# KiCad board oibus-mini-CCC_PANEL.kicad_pcb (continued)
## Nets (continued)
GND: C1.1 C1#2.1 C1#3.1 C1#4.1 C1#5.1 C1#6.1 C1#7.1 C1#8.1 C1#9.1 C1#10.1 C1#11.1 C1#12.1 C1#13.1 C1#14.1 C1#15.1 C1#16.1 C1#17.1 C1#18.1 C1#19.1 C1#20.1 C1#21.1 C1#22.1 C1#23.1 C1#24.1 C1#25.1 C1#26.1 C1#27.1 C1#28.1 C1#29.1 C1#30.1 C1#31.1 C1#32.1 C2.2 C2#2.2 C2#3.2 C2#4.2 C2#5.2 C2#6.2 C2#7.2 C2#8.2 C2#9.2 C2#10.2 C2#11.2 C2#12.2 C2#13.2 C2#14.2 C2#15.2 C2#16.2 C2#17.2 C2#18.2 C2#19.2 C2#20.2 C2#21.2 C2#22.2 C2#23.2 C2#24.2 C2#25.2 C2#26.2 C2#27.2 C2#28.2 C2#29.2 C2#30.2 C2#31.2 C2#32.2 C3.1 C3#2.1 C3#3.1 C3#4.1 C3#5.1 C3#6.1 C3#7.1 C3#8.1 C3#9.1 C3#10.1 C3#11.1 C3#12.1 C3#13.1 C3#14.1 C3#15.1 C3#16.1 C3#17.1 C3#18.1 C3#19.1 C3#20.1 C3#21.1 C3#22.1 C3#23.1 C3#24.1 C3#25.1 C3#26.1 C3#27.1 C3#28.1 C3#29.1 C3#30.1 C3#31.1 C3#32.1 C4.1 C4#2.1 C4#3.1 C4#4.1 C4#5.1 C4#6.1 C4#7.1 C4#8.1 C4#9.1 C4#10.1 C4#11.1 C4#12.1 C4#13.1 C4#14.1 C4#15.1 C4#16.1 C4#17.1 C4#18.1 C4#19.1 C4#20.1 C4#21.1 C4#22.1 C4#23.1 C4#24.1 C4#25.1 C4#26.1 C4#27.1 C4#28.1 C4#29.1 C4#30.1 C4#31.1 C4#32.1 C5.1 C5#2.1 C5#3.1 C5#4.1 C5#5.1 C5#6.1 C5#7.1 C5#8.1 C5#9.1 C5#10.1 C5#11.1 C5#12.1 C5#13.1 C5#14.1 C5#15.1 C5#16.1 C5#17.1 C5#18.1 C5#19.1 C5#20.1 C5#21.1 C5#22.1 C5#23.1 C5#24.1 C5#25.1 C5#26.1 C5#27.1 C5#28.1 C5#29.1 C5#30.1 C5#31.1 C5#32.1 C6.1 C6#2.1 C6#3.1 C6#4.1 C6#5.1 C6#6.1 C6#7.1 C6#8.1 C6#9.1 C6#10.1 C6#11.1 C6#12.1 C6#13.1 C6#14.1 C6#15.1 C6#16.1 C6#17.1 C6#18.1 C6#19.1 C6#20.1 C6#21.1 C6#22.1 C6#23.1 C6#24.1 C6#25.1 C6#26.1 C6#27.1 C6#28.1 C6#29.1 C6#30.1 C6#31.1 C6#32.1 C7.2 C7#2.2 C7#3.2 C7#4.2 C7#5.2 C7#6.2 C7#7.2 C7#8.2 C7#9.2 C7#10.2 C7#11.2 C7#12.2 C7#13.2 C7#14.2 C7#15.2 C7#16.2 C7#17.2 C7#18.2 C7#19.2 C7#20.2 C7#21.2 C7#22.2 C7#23.2 C7#24.2 C7#25.2 C7#26.2 C7#27.2 C7#28.2 C7#29.2 C7#30.2 C7#31.2 C7#32.2 C8.1 C8#2.1 C8#3.1 C8#4.1 C8#5.1 C8#6.1 C8#7.1 C8#8.1 C8#9.1 C8#10.1 C8#11.1 C8#12.1 C8#13.1 C8#14.1 C8#15.1 C8#16.1 C8#17.1 C8#18.1 C8#19.1 C8#20.1 C8#21.1 C8#22.1 C8#23.1 C8#24.1 C8#25.1 C8#26.1 C8#27.1 C8#28.1 C8#29.1 C8#30.1 C8#31.1 C8#32.1 C9.1 C9#2.1 C9#3.1 C9#4.1 C9#5.1 C9#6.1 C9#7.1 C9#8.1 C9#9.1 C9#10.1 C9#11.1 C9#12.1 C9#13.1 C9#14.1 C9#15.1 C9#16.1 C9#17.1 C9#18.1 C9#19.1 C9#20.1 C9#21.1 C9#22.1 C9#23.1 C9#24.1 C9#25.1 C9#26.1 C9#27.1 C9#28.1 C9#29.1 C9#30.1 C9#31.1 C9#32.1 C10.1 C10#2.1 C10#3.1 C10#4.1 C10#5.1 C10#6.1 C10#7.1 C10#8.1 C10#9.1 C10#10.1 C10#11.1 C10#12.1 C10#13.1 C10#14.1 C10#15.1 C10#16.1 C10#17.1 C10#18.1 C10#19.1 C10#20.1 C10#21.1 C10#22.1 C10#23.1 C10#24.1 C10#25.1 C10#26.1 C10#27.1 C10#28.1 C10#29.1 C10#30.1 C10#31.1 C10#32.1 C11.1 C11#2.1 C11#3.1 C11#4.1 C11#5.1 C11#6.1 C11#7.1 C11#8.1 C11#9.1 C11#10.1 C11#11.1 C11#12.1 C11#13.1 C11#14.1 C11#15.1 C11#16.1 C11#17.1 C11#18.1 C11#19.1 C11#20.1 C11#21.1 C11#22.1 C11#23.1 C11#24.1 C11#25.1 C11#26.1 C11#27.1 C11#28.1 C11#29.1 C11#30.1 C11#31.1 C11#32.1 C12.1 C12#2.1 C12#3.1 C12#4.1 C12#5.1 C12#6.1 C12#7.1 C12#8.1 C12#9.1 C12#10.1 C12#11.1 C12#12.1 C12#13.1 C12#14.1 C12#15.1 C12#16.1 C12#17.1 C12#18.1 C12#19.1 C12#20.1 C12#21.1 C12#22.1 C12#23.1 C12#24.1 C12#25.1 C12#26.1 C12#27.1 C12#28.1 C12#29.1 C12#30.1 C12#31.1 C12#32.1 C13.2 C13#2.2 C13#3.2 C13#4.2 C13#5.2 C13#6.2 C13#7.2 C13#8.2 C13#9.2 C13#10.2 C13#11.2 C13#12.2 C13#13.2 C13#14.2 C13#15.2 C13#16.2 C13#17.2 C13#18.2 C13#19.2 C13#20.2 C13#21.2 C13#22.2 C13#23.2 C13#24.2 C13#25.2 C13#26.2 C13#27.2 C13#28.2 C13#29.2 C13#30.2 C13#31.2 C13#32.2 C14.1 C14#2.1 C14#3.1 C14#4.1 C14#5.1 C14#6.1 C14#7.1 C14#8.1 C14#9.1 C14#10.1 C14#11.1 C14#12.1 C14#13.1 C14#14.1 C14#15.1 C14#16.1 C14#17.1 C14#18.1 C14#19.1 C14#20.1 C14#21.1 C14#22.1 C14#23.1 C14#24.1 C14#25.1 C14#26.1 C14#27.1 C14#28.1 C14#29.1 C14#30.1 C14#31.1 C14#32.1 C15.1 C15#2.1 C15#3.1 C15#4.1 C15#5.1 C15#6.1 C15#7.1 C15#8.1 C15#9.1 C15#10.1 C15#11.1 C15#12.1 C15#13.1 C15#14.1 C15#15.1 C15#16.1 C15#17.1 C15#18.1 C15#19.1 C15#20.1 C15#21.1 C15#22.1 C15#23.1 C15#24.1 C15#25.1 C15#26.1 C15#27.1 C15#28.1 C15#29.1 C15#30.1 C15#31.1 C15#32.1 C16.2 C16#2.2 C16#3.2 C16#4.2 C16#5.2 C16#6.2 C16#7.2 C16#8.2 C16#9.2 C16#10.2 C16#11.2 C16#12.2 C16#13.2 C16#14.2 C16#15.2 C16#16.2 C16#17.2 C16#18.2 C16#19.2 C16#20.2 C16#21.2 C16#22.2 C16#23.2 C16#24.2 C16#25.2 C16#26.2 C16#27.2 C16#28.2 C16#29.2 C16#30.2 C16#31.2 C16#32.2 C17.1 C17#2.1 C17#3.1 C17#4.1 C17#5.1 C17#6.1 C17#7.1 C17#8.1 C17#9.1 C17#10.1 C17#11.1 C17#12.1 C17#13.1 C17#14.1 C17#15.1 C17#16.1 C17#17.1 C17#18.1 C17#19.1 C17#20.1 C17#21.1 C17#22.1 C17#23.1 C17#24.1 C17#25.1 C17#26.1 C17#27.1 C17#28.1 C17#29.1 C17#30.1 C17#31.1 C17#32.1 C18.2 C18#2.2 C18#3.2 C18#4.2 C18#5.2 C18#6.2 C18#7.2 C18#8.2 C18#9.2 C18#10.2 C18#11.2 C18#12.2 C18#13.2 C18#14.2 C18#15.2 C18#16.2 C18#17.2 C18#18.2 C18#19.2 C18#20.2 C18#21.2 C18#22.2 C18#23.2 C18#24.2 C18#25.2 C18#26.2 C18#27.2 C18#28.2 C18#29.2 C18#30.2 C18#31.2 C18#32.2 C19.1 C19#2.1 C19#3.1 C19#4.1 C19#5.1 C19#6.1 C19#7.1 C19#8.1 C19#9.1 C19#10.1 C19#11.1 C19#12.1 C19#13.1 C19#14.1 C19#15.1 C19#16.1 C19#17.1 C19#18.1 C19#19.1 C19#20.1 C19#21.1 C19#22.1 C19#23.1 C19#24.1 C19#25.1 C19#26.1 C19#27.1 C19#28.1 C19#29.1 C19#30.1 C19#31.1 C19#32.1 C20.1 C20#2.1 C20#3.1 C20#4.1 C20#5.1 C20#6.1 C20#7.1 C20#8.1 C20#9.1 C20#10.1 C20#11.1 C20#12.1 C20#13.1 C20#14.1 C20#15.1 C20#16.1 C20#17.1 C20#18.1 C20#19.1 C20#20.1 C20#21.1 C20#22.1 C20#23.1 C20#24.1 C20#25.1 C20#26.1 C20#27.1 C20#28.1 C20#29.1 C20#30.1 C20#31.1 C20#32.1 C21.1 C21#2.1 C21#3.1 C21#4.1 C21#5.1 C21#6.1 C21#7.1 C21#8.1 C21#9.1 C21#10.1 C21#11.1 C21#12.1 C21#13.1 C21#14.1 C21#15.1 C21#16.1 C21#17.1 C21#18.1 C21#19.1 C21#20.1 C21#21.1 C21#22.1 C21#23.1 C21#24.1 C21#25.1 C21#26.1 C21#27.1 C21#28.1 C21#29.1 C21#30.1 C21#31.1 C21#32.1 C22.1 C22#2.1 C22#3.1 C22#4.1 C22#5.1 C22#6.1 C22#7.1 C22#8.1 C22#9.1 C22#10.1 C22#11.1 C22#12.1 C22#13.1 C22#14.1 C22#15.1 C22#16.1 C22#17.1 C22#18.1 C22#19.1 C22#20.1 C22#21.1 C22#22.1 C22#23.1 C22#24.1 C22#25.1 C22#26.1 C22#27.1 C22#28.1 C22#29.1 C22#30.1 C22#31.1 C22#32.1 C23.1 C23#2.1 C23#3.1 C23#4.1 C23#5.1 C23#6.1 C23#7.1 C23#8.1 C23#9.1 C23#10.1 C23#11.1 C23#12.1 C23#13.1 C23#14.1 C23#15.1 C23#16.1 C23#17.1 C23#18.1 C23#19.1 C23#20.1 C23#21.1 C23#22.1 C23#23.1 C23#24.1 C23#25.1 C23#26.1 C23#27.1 C23#28.1 C23#29.1 C23#30.1 C23#31.1 C23#32.1 C25.2 C25#2.2 C25#3.2 C25#4.2 C25#5.2 C25#6.2 C25#7.2 C25#8.2 C25#9.2 C25#10.2 C25#11.2 C25#12.2 C25#13.2 C25#14.2 C25#15.2 C25#16.2 C25#17.2 C25#18.2 C25#19.2 C25#20.2 C25#21.2 C25#22.2 C25#23.2 C25#24.2 C25#25.2 C25#26.2 C25#27.2 C25#28.2 C25#29.2 C25#30.2 C25#31.2 C25#32.2 C26.1 C26#2.1 C26#3.1 C26#4.1 C26#5.1 C26#6.1 C26#7.1 C26#8.1 C26#9.1 C26#10.1 C26#11.1 C26#12.1 C26#13.1 C26#14.1 C26#15.1 C26#16.1 C26#17.1 C26#18.1 C26#19.1 C26#20.1 C26#21.1 C26#22.1 C26#23.1 C26#24.1 C26#25.1 C26#26.1 C26#27.1 C26#28.1 C26#29.1 C26#30.1 C26#31.1 C26#32.1 D5.1 D5#2.1 D5#3.1 D5#4.1 D5#5.1 D5#6.1 D5#7.1 D5#8.1 D5#9.1 D5#10.1 D5#11.1 D5#12.1 D5#13.1 D5#14.1 D5#15.1 D5#16.1 D5#17.1 D5#18.1 D5#19.1 D5#20.1 D5#21.1 D5#22.1 D5#23.1 D5#24.1 D5#25.1 D5#26.1 D5#27.1 D5#28.1 D5#29.1 D5#30.1 D5#31.1 D5#32.1 D6.3 D6#2.3 D6#3.3 D6#4.3 D6#5.3 D6#6.3 D6#7.3 D6#8.3 D6#9.3 D6#10.3 D6#11.3 D6#12.3 D6#13.3 D6#14.3 D6#15.3 D6#16.3 D6#17.3 D6#18.3 D6#19.3 D6#20.3 D6#21.3 D6#22.3 D6#23.3 D6#24.3 D6#25.3 D6#26.3 D6#27.3 D6#28.3 D6#29.3 D6#30.3 D6#31.3 D6#32.3 H1.1 H1#2.1 H1#3.1 H1#4.1 H1#5.1 H1#6.1 H1#7.1 H1#8.1 H1#9.1 H1#10.1 H1#11.1 H1#12.1 H1#13.1 H1#14.1 H1#15.1 H1#16.1 H1#17.1 H1#18.1 H1#19.1 H1#20.1 H1#21.1 H1#22.1 H1#23.1 H1#24.1 H1#25.1 H1#26.1 H1#27.1 H1#28.1 H1#29.1 H1#30.1 H1#31.1 H1#32.1 H2.2 H2.4 H2#2.2 H2#2.4 H2#3.2 H2#3.4 H2#4.2 H2#4.4 H2#5.2 H2#5.4 H2#6.2 H2#6.4 H2#7.2 H2#7.4 H2#8.2 H2#8.4 H2#9.2 H2#9.4 H2#10.2 H2#10.4 H2#11.2 H2#11.4 H2#12.2 H2#12.4 H2#13.2 H2#13.4 H2#14.2 H2#14.4 H2#15.2 H2#15.4 H2#16.2 H2#16.4 H2#17.2 H2#17.4 H2#18.2 H2#18.4 H2#19.2 H2#19.4 H2#20.2 H2#20.4 H2#21.2 H2#21.4 H2#22.2 H2#22.4 H2#23.2 H2#23.4 H2#24.2 H2#24.4 H2#25.2 H2#25.4 H2#26.2 H2#26.4 H2#27.2 H2#27.4 H2#28.2 H2#28.4 H2#29.2 H2#29.4 H2#30.2 H2#30.4 H2#31.2 H2#31.4 H2#32.2 H2#32.4 J1.4 J1#2.4 J1#3.4 J1#4.4 J1#5.4 J1#6.4 J1#7.4 J1#8.4 J1#9.4 J1#10.4 J1#11.4 J1#12.4 J1#13.4 J1#14.4 J1#15.4 J1#16.4 J1#17.4 J1#18.4 J1#19.4 J1#20.4 J1#21.4 J1#22.4 J1#23.4 J1#24.4 J1#25.4 J1#26.4 J1#27.4 J1#28.4 J1#29.4 J1#30.4 J1#31.4 J1#32.4 J2.5 J2.6 J2#2.5 J2#2.6 J2#3.5 J2#3.6 J2#4.5 J2#4.6 J2#5.5 J2#5.6 J2#6.5 J2#6.6 J2#7.5 J2#7.6 J2#8.5 J2#8.6 J2#9.5 J2#9.6 J2#10.5 J2#10.6 J2#11.5 J2#11.6 J2#12.5 J2#12.6 J2#13.5 J2#13.6 J2#14.5 J2#14.6 J2#15.5 J2#15.6 J2#16.5 J2#16.6 J2#17.5 J2#17.6 J2#18.5 J2#18.6 J2#19.5 J2#19.6 J2#20.5 J2#20.6 J2#21.5 J2#21.6 J2#22.5 J2#22.6 J2#23.5 J2#23.6 J2#24.5 J2#24.6 J2#25.5 J2#25.6 J2#26.5 J2#26.6 J2#27.5 J2#27.6 J2#28.5 J2#28.6 J2#29.5 J2#29.6 J2#30.5 J2#30.6 J2#31.5 J2#31.6 J2#32.5 J2#32.6 J3.5 J3#2.5 J3#3.5 J3#4.5 J3#5.5 J3#6.5 J3#7.5 J3#8.5 J3#9.5 J3#10.5 J3#11.5 J3#12.5 J3#13.5 J3#14.5 J3#15.5 J3#16.5 J3#17.5 J3#18.5 J3#19.5 J3#20.5 J3#21.5 J3#22.5 J3#23.5 J3#24.5 J3#25.5 J3#26.5 J3#27.5 J3#28.5 J3#29.5 J3#30.5 J3#31.5 J3#32.5 P1.3 P1#2.3 P1#3.3 P1#4.3 P1#5.3 P1#6.3 P1#7.3 P1#8.3 P1#9.3 P1#10.3 P1#11.3 P1#12.3 P1#13.3 P1#14.3 P1#15.3 P1#16.3 P1#17.3 P1#18.3 P1#19.3 P1#20.3 P1#21.3 P1#22.3 P1#23.3 P1#24.3 P1#25.3 P1#26.3 P1#27.3 P1#28.3 P1#29.3 P1#30.3 P1#31.3 P1#32.3 Q3.2 Q3#2.2 Q3#3.2 Q3#4.2 Q3#5.2 Q3#6.2 Q3#7.2 Q3#8.2 Q3#9.2 Q3#10.2 Q3#11.2 Q3#12.2 Q3#13.2 Q3#14.2 Q3#15.2 Q3#16.2 Q3#17.2 Q3#18.2 Q3#19.2 Q3#20.2 Q3#21.2 Q3#22.2 Q3#23.2 Q3#24.2 Q3#25.2 Q3#26.2 Q3#27.2 Q3#28.2 Q3#29.2 Q3#30.2 Q3#31.2 Q3#32.2 R1.2 R1#2.2 R1#3.2 R1#4.2 R1#5.2 R1#6.2 R1#7.2 R1#8.2 R1#9.2 R1#10.2 R1#11.2 R1#12.2 R1#13.2 R1#14.2 R1#15.2 R1#16.2 R1#17.2 R1#18.2 R1#19.2 R1#20.2 R1#21.2 R1#22.2 R1#23.2 R1#24.2 R1#25.2 R1#26.2 R1#27.2 R1#28.2 R1#29.2 R1#30.2 R1#31.2 R1#32.2 R2.2 R2#2.2 R2#3.2 R2#4.2 R2#5.2 R2#6.2 R2#7.2 R2#8.2 R2#9.2 R2#10.2 R2#11.2 R2#12.2 R2#13.2 R2#14.2 R2#15.2 R2#16.2 R2#17.2 R2#18.2 R2#19.2 R2#20.2 R2#21.2 R2#22.2 R2#23.2 R2#24.2 R2#25.2 R2#26.2 R2#27.2 R2#28.2 R2#29.2 R2#30.2 R2#31.2 R2#32.2 R5.2 R5#2.2 R5#3.2 R5#4.2 R5#5.2 R5#6.2 R5#7.2 R5#8.2 R5#9.2 R5#10.2 R5#11.2 R5#12.2 R5#13.2 R5#14.2 R5#15.2 R5#16.2 R5#17.2 R5#18.2 R5#19.2 R5#20.2 R5#21.2 R5#22.2 R5#23.2 R5#24.2 R5#25.2 R5#26.2 R5#27.2 R5#28.2 R5#29.2 R5#30.2 R5#31.2 R5#32.2 R7.2 R7#2.2 R7#3.2 R7#4.2 R7#5.2 R7#6.2 R7#7.2 R7#8.2 R7#9.2 R7#10.2 R7#11.2 R7#12.2 R7#13.2 R7#14.2 R7#15.2 R7#16.2 R7#17.2 R7#18.2 R7#19.2 R7#20.2 R7#21.2 R7#22.2 R7#23.2 R7#24.2 R7#25.2 R7#26.2 R7#27.2 R7#28.2 R7#29.2 R7#30.2 R7#31.2 R7#32.2 R8.2 R8#2.2 R8#3.2 R8#4.2 R8#5.2 R8#6.2 R8#7.2 R8#8.2 R8#9.2 R8#10.2 R8#11.2 R8#12.2 R8#13.2 R8#14.2 R8#15.2 R8#16.2 R8#17.2 R8#18.2 R8#19.2 R8#20.2 R8#21.2 R8#22.2 R8#23.2 R8#24.2 R8#25.2 R8#26.2 R8#27.2 R8#28.2 R8#29.2 R8#30.2 R8#31.2 R8#32.2 R14.2 R14#2.2 R14#3.2 R14#4.2 R14#5.2 R14#6.2 R14#7.2 R14#8.2 R14#9.2 R14#10.2 R14#11.2 R14#12.2 R14#13.2 R14#14.2 R14#15.2 R14#16.2 R14#17.2 R14#18.2 R14#19.2 R14#20.2 R14#21.2 R14#22.2 R14#23.2 R14#24.2 R14#25.2 R14#26.2 R14#27.2 R14#28.2 R14#29.2 R14#30.2 R14#31.2 R14#32.2 R18.2 R18#2.2 R18#3.2 R18#4.2 R18#5.2 R18#6.2 R18#7.2 R18#8.2 R18#9.2 R18#10.2 R18#11.2 R18#12.2 R18#13.2 R18#14.2 R18#15.2 R18#16.2 R18#17.2 R18#18.2 R18#19.2 R18#20.2 R18#21.2 R18#22.2 R18#23.2 R18#24.2 R18#25.2 R18#26.2 R18#27.2 R18#28.2 R18#29.2 R18#30.2 R18#31.2 R18#32.2 R23.2 R23#2.2 R23#3.2 R23#4.2 R23#5.2 R23#6.2 R23#7.2 R23#8.2 R23#9.2 R23#10.2 R23#11.2 R23#12.2 R23#13.2 R23#14.2 R23#15.2 R23#16.2 R23#17.2 R23#18.2 R23#19.2 R23#20.2 R23#21.2 R23#22.2 R23#23.2 R23#24.2 R23#25.2 R23#26.2 R23#27.2 R23#28.2 R23#29.2 R23#30.2 R23#31.2 R23#32.2 SW2.2 SW2#2.2 SW2#3.2 SW2#4.2 SW2#5.2 SW2#6.2 SW2#7.2 SW2#8.2 SW2#9.2 SW2#10.2 SW2#11.2 SW2#12.2 SW2#13.2 SW2#14.2 SW2#15.2 SW2#16.2 SW2#17.2 SW2#18.2 SW2#19.2 SW2#20.2 SW2#21.2 SW2#22.2 SW2#23.2 SW2#24.2 SW2#25.2 SW2#26.2 SW2#27.2 SW2#28.2 SW2#29.2 SW2#30.2 SW2#31.2 SW2#32.2 U1.2 U1#2.2 U1#3.2 U1#4.2 U1#5.2 U1#6.2 U1#7.2 U1#8.2 U1#9.2 U1#10.2 U1#11.2 U1#12.2 U1#13.2 U1#14.2 U1#15.2 U1#16.2 U1#17.2 U1#18.2 U1#19.2 U1#20.2 U1#21.2 U1#22.2 U1#23.2 U1#24.2 U1#25.2 U1#26.2 U1#27.2 U1#28.2 U1#29.2 U1#30.2 U1#31.2 U1#32.2 U2.1 U2.4 U2.5 U2.6 U2.10 U2.11 U2.15 U2.16 U2.20 U2#2.1 U2#2.4 U2#2.5 U2#2.6 U2#2.10 U2#2.11 U2#2.15 U2#2.16 U2#2.20 U2#3.1 U2#3.4 U2#3.5 U2#3.6 U2#3.10 U2#3.11 U2#3.15 U2#3.16 U2#3.20 U2#4.1 U2#4.4 U2#4.5 U2#4.6 U2#4.10 U2#4.11 U2#4.15 U2#4.16 U2#4.20 U2#5.1 U2#5.4 U2#5.5 U2#5.6 U2#5.10 U2#5.11 U2#5.15 U2#5.16 U2#5.20 U2#6.1 U2#6.4 U2#6.5 U2#6.6 U2#6.10 U2#6.11 U2#6.15 U2#6.16 U2#6.20 U2#7.1 U2#7.4 U2#7.5 U2#7.6 U2#7.10 U2#7.11 U2#7.15 U2#7.16 U2#7.20 U2#8.1 U2#8.4 U2#8.5 U2#8.6 U2#8.10 U2#8.11 U2#8.15 U2#8.16 U2#8.20 U2#9.1 U2#9.4 U2#9.5 U2#9.6 U2#9.10 U2#9.11 U2#9.15 U2#9.16 U2#9.20 U2#10.1 U2#10.4 U2#10.5 U2#10.6 U2#10.10 U2#10.11 U2#10.15 U2#10.16 U2#10.20 U2#11.1 U2#11.4 U2#11.5 U2#11.6 U2#11.10 U2#11.11 U2#11.15 U2#11.16 U2#11.20 U2#12.1 U2#12.4 U2#12.5 U2#12.6 U2#12.10 U2#12.11 U2#12.15 U2#12.16 U2#12.20 U2#13.1 U2#13.4 U2#13.5 U2#13.6 U2#13.10 U2#13.11 U2#13.15 U2#13.16 U2#13.20 U2#14.1 U2#14.4 U2#14.5 U2#14.6 U2#14.10 U2#14.11 U2#14.15 U2#14.16 U2#14.20 U2#15.1 U2#15.4 U2#15.5 U2#15.6 U2#15.10 U2#15.11 U2#15.15 U2#15.16 U2#15.20 U2#16.1 U2#16.4 U2#16.5 U2#16.6 U2#16.10 U2#16.11 U2#16.15 U2#16.16 U2#16.20 U2#17.1 U2#17.4 U2#17.5 U2#17.6 U2#17.10 U2#17.11 U2#17.15 U2#17.16 U2#17.20 U2#18.1 U2#18.4 U2#18.5 U2#18.6 U2#18.10 U2#18.11 U2#18.15 U2#18.16 U2#18.20 U2#19.1 U2#19.4 U2#19.5 U2#19.6 U2#19.10 U2#19.11 U2#19.15 U2#19.16 U2#19.20 U2#20.1 U2#20.4 U2#20.5 U2#20.6 U2#20.10 U2#20.11 U2#20.15 U2#20.16 U2#20.20 U2#21.1 U2#21.4 U2#21.5 U2#21.6 U2#21.10 U2#21.11 U2#21.15 U2#21.16 U2#21.20 U2#22.1 U2#22.4 U2#22.5 U2#22.6 U2#22.10 U2#22.11 U2#22.15 U2#22.16 U2#22.20 U2#23.1 U2#23.4 U2#23.5 U2#23.6 U2#23.10 U2#23.11 U2#23.15 U2#23.16 U2#23.20 U2#24.1 U2#24.4 U2#24.5 U2#24.6 U2#24.10 U2#24.11 U2#24.15 U2#24.16 U2#24.20 U2#25.1 U2#25.4 U2#25.5 U2#25.6 U2#25.10 U2#25.11 U2#25.15 U2#25.16 U2#25.20 U2#26.1 U2#26.4 U2#26.5 U2#26.6 U2#26.10 U2#26.11 U2#26.15 U2#26.16 U2#26.20 U2#27.1 U2#27.4 U2#27.5 U2#27.6 U2#27.10 U2#27.11 U2#27.15 U2#27.16 U2#27.20 U2#28.1 U2#28.4 U2#28.5 U2#28.6 U2#28.10 U2#28.11 U2#28.15 U2#28.16 U2#28.20 U2#29.1 U2#29.4 U2#29.5 U2#29.6 U2#29.10 U2#29.11 U2#29.15 U2#29.16 U2#29.20 U2#30.1 U2#30.4 U2#30.5 U2#30.6 U2#30.10 U2#30.11 U2#30.15 U2#30.16 U2#30.20 U2#31.1 U2#31.4 U2#31.5 U2#31.6 U2#31.10 U2#31.11 U2#31.15 U2#31.16 U2#31.20 U2#32.1 U2#32.4 U2#32.5 U2#32.6 U2#32.10 U2#32.11 U2#32.15 U2#32.16 U2#32.20 U3.6 U3.12 U3.14 U3.26 U3.30 U3.53 U3.EGP1 U3.EGP2 U3.EGP3 U3.EGP4 U3.EGP5 U3.EGP6 U3.EGP7 U3.EGP8 U3.EGP9 U3.EGP10 U3.EGP11 U3.EGP12 U3#2.6 U3#2.12 U3#2.14 U3#2.26 U3#2.30 U3#2.53 U3#2.EGP1 U3#2.EGP2 U3#2.EGP3 U3#2.EGP4 U3#2.EGP5 U3#2.EGP6 U3#2.EGP7 U3#2.EGP8 U3#2.EGP9 U3#2.EGP10 U3#2.EGP11 U3#2.EGP12 U3#3.6 U3#3.12 U3#3.14 U3#3.26 U3#3.30 U3#3.53 U3#3.EGP1 U3#3.EGP2 U3#3.EGP3 U3#3.EGP4 U3#3.EGP5 U3#3.EGP6 U3#3.EGP7 U3#3.EGP8 U3#3.EGP9 U3#3.EGP10 U3#3.EGP11 U3#3.EGP12 U3#4.6 U3#4.12 U3#4.14 U3#4.26 U3#4.30 U3#4.53 U3#4.EGP1 U3#4.EGP2 U3#4.EGP3 U3#4.EGP4 U3#4.EGP5 U3#4.EGP6 U3#4.EGP7 U3#4.EGP8 U3#4.EGP9 U3#4.EGP10 U3#4.EGP11 U3#4.EGP12 U3#5.6 U3#5.12 U3#5.14 U3#5.26 U3#5.30 U3#5.53 U3#5.EGP1 U3#5.EGP2 U3#5.EGP3 U3#5.EGP4 U3#5.EGP5 U3#5.EGP6 U3#5.EGP7 U3#5.EGP8 U3#5.EGP9 U3#5.EGP10 U3#5.EGP11 U3#5.EGP12 U3#6.6 U3#6.12 U3#6.14 U3#6.26 U3#6.30 U3#6.53 U3#6.EGP1 U3#6.EGP2 U3#6.EGP3 U3#6.EGP4 U3#6.EGP5 U3#6.EGP6 U3#6.EGP7 U3#6.EGP8 U3#6.EGP9 U3#6.EGP10 U3#6.EGP11 U3#6.EGP12 U3#7.6 U3#7.12 U3#7.14 U3#7.26 U3#7.30 U3#7.53 U3#7.EGP1 U3#7.EGP2 U3#7.EGP3 U3#7.EGP4 U3#7.EGP5 U3#7.EGP6 U3#7.EGP7 U3#7.EGP8 U3#7.EGP9 U3#7.EGP10 U3#7.EGP11 U3#7.EGP12 U3#8.6 U3#8.12 U3#8.14 U3#8.26 U3#8.30 U3#8.53 U3#8.EGP1 U3#8.EGP2 U3#8.EGP3 U3#8.EGP4 U3#8.EGP5 U3#8.EGP6 U3#8.EGP7 U3#8.EGP8 U3#8.EGP9 U3#8.EGP10 U3#8.EGP11 U3#8.EGP12 U3#9.6 U3#9.12 U3#9.14 U3#9.26 U3#9.30 U3#9.53 U3#9.EGP1 U3#9.EGP2 U3#9.EGP3 U3#9.EGP4 U3#9.EGP5 U3#9.EGP6 U3#9.EGP7 U3#9.EGP8 U3#9.EGP9 U3#9.EGP10 U3#9.EGP11 U3#9.EGP12 U3#10.6 U3#10.12 U3#10.14 U3#10.26 U3#10.30 U3#10.53 U3#10.EGP1 U3#10.EGP2 U3#10.EGP3 U3#10.EGP4 U3#10.EGP5 U3#10.EGP6 U3#10.EGP7 U3#10.EGP8 U3#10.EGP9 U3#10.EGP10 U3#10.EGP11 U3#10.EGP12 U3#11.6 U3#11.12 U3#11.14 U3#11.26 U3#11.30 U3#11.53 U3#11.EGP1 U3#11.EGP2 U3#11.EGP3 U3#11.EGP4 U3#11.EGP5 U3#11.EGP6 U3#11.EGP7 U3#11.EGP8 U3#11.EGP9 U3#11.EGP10 U3#11.EGP11 U3#11.EGP12 U3#12.6 U3#12.12 U3#12.14 U3#12.26 U3#12.30 U3#12.53 U3#12.EGP1 U3#12.EGP2 U3#12.EGP3 U3#12.EGP4 U3#12.EGP5 U3#12.EGP6 U3#12.EGP7 U3#12.EGP8 U3#12.EGP9 U3#12.EGP10 U3#12.EGP11 U3#12.EGP12 U3#13.6 U3#13.12 U3#13.14 U3#13.26 U3#13.30 U3#13.53 U3#13.EGP1 U3#13.EGP2 U3#13.EGP3 U3#13.EGP4 U3#13.EGP5 U3#13.EGP6 U3#13.EGP7 U3#13.EGP8 U3#13.EGP9 U3#13.EGP10 U3#13.EGP11 U3#13.EGP12 U3#14.6 U3#14.12 U3#14.14 U3#14.26 U3#14.30 U3#14.53 U3#14.EGP1 U3#14.EGP2 U3#14.EGP3 U3#14.EGP4 U3#14.EGP5 U3#14.EGP6 U3#14.EGP7 U3#14.EGP8 U3#14.EGP9 U3#14.EGP10 U3#14.EGP11 U3#14.EGP12 U3#15.6 U3#15.12 U3#15.14 U3#15.26 U3#15.30 U3#15.53 U3#15.EGP1 U3#15.EGP2 U3#15.EGP3 U3#15.EGP4 U3#15.EGP5 U3#15.EGP6 U3#15.EGP7 U3#15.EGP8 U3#15.EGP9 U3#15.EGP10 U3#15.EGP11 U3#15.EGP12 U3#16.6 U3#16.12 U3#16.14 U3#16.26 U3#16.30 U3#16.53 U3#16.EGP1 U3#16.EGP2 U3#16.EGP3 U3#16.EGP4 U3#16.EGP5 U3#16.EGP6 U3#16.EGP7 U3#16.EGP8 U3#16.EGP9 U3#16.EGP10 U3#16.EGP11 U3#16.EGP12 U3#17.6 U3#17.12 U3#17.14 U3#17.26 U3#17.30 U3#17.53 U3#17.EGP1 U3#17.EGP2 U3#17.EGP3 U3#17.EGP4 U3#17.EGP5 U3#17.EGP6 U3#17.EGP7 U3#17.EGP8 U3#17.EGP9 U3#17.EGP10 U3#17.EGP11 U3#17.EGP12 U3#18.6 U3#18.12 U3#18.14 U3#18.26 U3#18.30 U3#18.53 U3#18.EGP1 U3#18.EGP2 U3#18.EGP3 U3#18.EGP4 U3#18.EGP5 U3#18.EGP6 U3#18.EGP7 U3#18.EGP8 U3#18.EGP9 U3#18.EGP10 U3#18.EGP11 U3#18.EGP12 U3#19.6 U3#19.12 U3#19.14 U3#19.26 U3#19.30 U3#19.53 U3#19.EGP1 U3#19.EGP2 U3#19.EGP3 U3#19.EGP4 U3#19.EGP5 U3#19.EGP6 U3#19.EGP7 U3#19.EGP8 U3#19.EGP9 U3#19.EGP10 U3#19.EGP11 U3#19.EGP12 U3#20.6 U3#20.12 U3#20.14 U3#20.26 U3#20.30 U3#20.53 U3#20.EGP1 U3#20.EGP2 U3#20.EGP3 U3#20.EGP4 U3#20.EGP5 U3#20.EGP6 U3#20.EGP7 U3#20.EGP8 U3#20.EGP9 U3#20.EGP10 U3#20.EGP11 U3#20.EGP12 U3#21.6 U3#21.12 U3#21.14 U3#21.26 U3#21.30 U3#21.53 U3#21.EGP1 U3#21.EGP2 U3#21.EGP3 U3#21.EGP4 U3#21.EGP5 U3#21.EGP6 U3#21.EGP7 U3#21.EGP8 U3#21.EGP9 U3#21.EGP10 U3#21.EGP11 U3#21.EGP12 U3#22.6 U3#22.12 U3#22.14 U3#22.26 U3#22.30 U3#22.53 U3#22.EGP1 U3#22.EGP2 U3#22.EGP3 U3#22.EGP4 U3#22.EGP5 U3#22.EGP6 U3#22.EGP7 U3#22.EGP8 U3#22.EGP9 U3#22.EGP10 U3#22.EGP11 U3#22.EGP12 U3#23.6 U3#23.12 U3#23.14 U3#23.26 U3#23.30 U3#23.53 U3#23.EGP1 U3#23.EGP2 U3#23.EGP3 U3#23.EGP4 U3#23.EGP5 U3#23.EGP6 U3#23.EGP7 U3#23.EGP8 U3#23.EGP9 U3#23.EGP10 U3#23.EGP11 U3#23.EGP12 U3#24.6 U3#24.12 U3#24.14 U3#24.26 U3#24.30 U3#24.53 U3#24.EGP1 U3#24.EGP2 U3#24.EGP3 U3#24.EGP4 U3#24.EGP5 U3#24.EGP6 U3#24.EGP7 U3#24.EGP8 U3#24.EGP9 U3#24.EGP10 U3#24.EGP11 U3#24.EGP12 U3#25.6 U3#25.12 U3#25.14 U3#25.26 U3#25.30 U3#25.53 U3#25.EGP1 U3#25.EGP2 U3#25.EGP3 U3#25.EGP4 U3#25.EGP5 U3#25.EGP6 U3#25.EGP7 U3#25.EGP8 U3#25.EGP9 U3#25.EGP10 U3#25.EGP11 U3#25.EGP12 U3#26.6 U3#26.12 U3#26.14 U3#26.26 U3#26.30 U3#26.53 U3#26.EGP1 U3#26.EGP2 U3#26.EGP3 U3#26.EGP4 U3#26.EGP5 U3#26.EGP6 U3#26.EGP7 U3#26.EGP8 U3#26.EGP9 U3#26.EGP10 U3#26.EGP11 U3#26.EGP12 U3#27.6 U3#27.12 U3#27.14 U3#27.26 U3#27.30 U3#27.53 U3#27.EGP1 U3#27.EGP2 U3#27.EGP3 U3#27.EGP4 U3#27.EGP5 U3#27.EGP6 U3#27.EGP7 U3#27.EGP8 U3#27.EGP9 U3#27.EGP10 U3#27.EGP11 U3#27.EGP12 U3#28.6 U3#28.12 U3#28.14 U3#28.26 U3#28.30 U3#28.53 U3#28.EGP1 U3#28.EGP2 U3#28.EGP3 U3#28.EGP4 U3#28.EGP5 U3#28.EGP6 U3#28.EGP7 U3#28.EGP8 U3#28.EGP9 U3#28.EGP10 U3#28.EGP11 U3#28.EGP12 U3#29.6 U3#29.12 U3#29.14 U3#29.26 U3#29.30 U3#29.53 U3#29.EGP1 U3#29.EGP2 U3#29.EGP3 U3#29.EGP4 U3#29.EGP5 U3#29.EGP6 U3#29.EGP7 U3#29.EGP8 U3#29.EGP9 U3#29.EGP10 U3#29.EGP11 U3#29.EGP12 U3#30.6 U3#30.12 U3#30.14 U3#30.26 U3#30.30 U3#30.53 U3#30.EGP1 U3#30.EGP2 U3#30.EGP3 U3#30.EGP4 U3#30.EGP5 U3#30.EGP6 U3#30.EGP7 U3#30.EGP8 U3#30.EGP9 U3#30.EGP10 U3#30.EGP11 U3#30.EGP12 U3#31.6 U3#31.12 U3#31.14 U3#31.26 U3#31.30 U3#31.53 U3#31.EGP1 U3#31.EGP2 U3#31.EGP3 U3#31.EGP4 U3#31.EGP5 U3#31.EGP6 U3#31.EGP7 U3#31.EGP8 U3#31.EGP9 U3#31.EGP10 U3#31.EGP11 U3#31.EGP12 U3#32.6 U3#32.12 U3#32.14 U3#32.26 U3#32.30 U3#32.53 U3#32.EGP1 U3#32.EGP2 U3#32.EGP3 U3#32.EGP4 U3#32.EGP5 U3#32.EGP6 U3#32.EGP7 U3#32.EGP8 U3#32.EGP9 U3#32.EGP10 U3#32.EGP11 U3#32.EGP12 U4.2 U4#2.2 U4#3.2 U4#4.2 U4#5.2 U4#6.2 U4#7.2 U4#8.2 U4#9.2 U4#10.2 U4#11.2 U4#12.2 U4#13.2 U4#14.2 U4#15.2 U4#16.2 U4#17.2 U4#18.2 U4#19.2 U4#20.2 U4#21.2 U4#22.2 U4#23.2 U4#24.2 U4#25.2 U4#26.2 U4#27.2 U4#28.2 U4#29.2 U4#30.2 U4#31.2 U4#32.2 U5.2 U5#2.2 U5#3.2 U5#4.2 U5#5.2 U5#6.2 U5#7.2 U5#8.2 U5#9.2 U5#10.2 U5#11.2 U5#12.2 U5#13.2 U5#14.2 U5#15.2 U5#16.2 U5#17.2 U5#18.2 U5#19.2 U5#20.2 U5#21.2 U5#22.2 U5#23.2 U5#24.2 U5#25.2 U5#26.2 U5#27.2 U5#28.2 U5#29.2 U5#30.2 U5#31.2 U5#32.2 U6.2 U6.7 U6.8 U6.9 U6#2.2 U6#2.7 U6#2.8 U6#2.9 U6#3.2 U6#3.7 U6#3.8 U6#3.9 U6#4.2 U6#4.7 U6#4.8 U6#4.9 U6#5.2 U6#5.7 U6#5.8 U6#5.9 U6#6.2 U6#6.7 U6#6.8 U6#6.9 U6#7.2 U6#7.7 U6#7.8 U6#7.9 U6#8.2 U6#8.7 U6#8.8 U6#8.9 U6#9.2 U6#9.7 U6#9.8 U6#9.9 U6#10.2 U6#10.7 U6#10.8 U6#10.9 U6#11.2 U6#11.7 U6#11.8 U6#11.9 U6#12.2 U6#12.7 U6#12.8 U6#12.9 U6#13.2 U6#13.7 U6#13.8 U6#13.9 U6#14.2 U6#14.7 U6#14.8 U6#14.9 U6#15.2 U6#15.7 U6#15.8 U6#15.9 U6#16.2 U6#16.7 U6#16.8 U6#16.9 U6#17.2 U6#17.7 U6#17.8 U6#17.9 U6#18.2 U6#18.7 U6#18.8 U6#18.9 U6#19.2 U6#19.7 U6#19.8 U6#19.9 U6#20.2 U6#20.7 U6#20.8 U6#20.9 U6#21.2 U6#21.7 U6#21.8 U6#21.9 U6#22.2 U6#22.7 U6#22.8 U6#22.9 U6#23.2 U6#23.7 U6#23.8 U6#23.9 U6#24.2 U6#24.7 U6#24.8 U6#24.9 U6#25.2 U6#25.7 U6#25.8 U6#25.9 U6#26.2 U6#26.7 U6#26.8 U6#26.9 U6#27.2 U6#27.7 U6#27.8 U6#27.9 U6#28.2 U6#28.7 U6#28.8 U6#28.9 U6#29.2 U6#29.7 U6#29.8 U6#29.9 U6#30.2 U6#30.7 U6#30.8 U6#30.9 U6#31.2 U6#31.7 U6#31.8 U6#31.9 U6#32.2 U6#32.7 U6#32.8 U6#32.9 U7.2 U7#2.2 U7#3.2 U7#4.2 U7#5.2 U7#6.2 U7#7.2 U7#8.2 U7#9.2 U7#10.2 U7#11.2 U7#12.2 U7#13.2 U7#14.2 U7#15.2 U7#16.2 U7#17.2 U7#18.2 U7#19.2 U7#20.2 U7#21.2 U7#22.2 U7#23.2 U7#24.2 U7#25.2 U7#26.2 U7#27.2 U7#28.2 U7#29.2 U7#30.2 U7#31.2 U7#32.2 U8.8 U8.23 U8.35 U8.47 U8#2.8 U8#2.23 U8#2.35 U8#2.47 U8#3.8 U8#3.23 U8#3.35 U8#3.47 U8#4.8 U8#4.23 U8#4.35 U8#4.47 U8#5.8 U8#5.23 U8#5.35 U8#5.47 U8#6.8 U8#6.23 U8#6.35 U8#6.47 U8#7.8 U8#7.23 U8#7.35 U8#7.47 U8#8.8 U8#8.23 U8#8.35 U8#8.47 U8#9.8 U8#9.23 U8#9.35 U8#9.47 U8#10.8 U8#10.23 U8#10.35 U8#10.47 U8#11.8 U8#11.23 U8#11.35 U8#11.47 U8#12.8 U8#12.23 U8#12.35 U8#12.47 U8#13.8 U8#13.23 U8#13.35 U8#13.47 U8#14.8 U8#14.23 U8#14.35 U8#14.47 U8#15.8 U8#15.23 U8#15.35 U8#15.47 U8#16.8 U8#16.23 U8#16.35 U8#16.47 U8#17.8 U8#17.23 U8#17.35 U8#17.47 U8#18.8 U8#18.23 U8#18.35 U8#18.47 U8#19.8 U8#19.23 U8#19.35 U8#19.47 U8#20.8 U8#20.23 U8#20.35 U8#20.47 U8#21.8 U8#21.23 U8#21.35 U8#21.47 U8#22.8 U8#22.23 U8#22.35 U8#22.47 U8#23.8 U8#23.23 U8#23.35 U8#23.47 U8#24.8 U8#24.23 U8#24.35 U8#24.47 U8#25.8 U8#25.23 U8#25.35 U8#25.47 U8#26.8 U8#26.23 U8#26.35 U8#26.47 U8#27.8 U8#27.23 U8#27.35 U8#27.47 U8#28.8 U8#28.23 U8#28.35 U8#28.47 U8#29.8 U8#29.23 U8#29.35 U8#29.47 U8#30.8 U8#30.23 U8#30.35 U8#30.47 U8#31.8 U8#31.23 U8#31.35 U8#31.47 U8#32.8 U8#32.23 U8#32.35 U8#32.47 U10.3 U10#2.3 U10#3.3 U10#4.3 U10#5.3 U10#6.3 U10#7.3 U10#8.3 U10#9.3 U10#10.3 U10#11.3 U10#12.3 U10#13.3 U10#14.3 U10#15.3 U10#16.3 U10#17.3 U10#18.3 U10#19.3 U10#20.3 U10#21.3 U10#22.3 U10#23.3 U10#24.3 U10#25.3 U10#26.3 U10#27.3 U10#28.3 U10#29.3 U10#30.3 U10#31.3 U10#32.3 Y1.2 Y1.4 Y1#2.2 Y1#2.4 Y1#3.2 Y1#3.4 Y1#4.2 Y1#4.4 Y1#5.2 Y1#5.4 Y1#6.2 Y1#6.4 Y1#7.2 Y1#7.4 Y1#8.2 Y1#8.4 Y1#9.2 Y1#9.4 Y1#10.2 Y1#10.4 Y1#11.2 Y1#11.4 Y1#12.2 Y1#12.4 Y1#13.2 Y1#13.4 Y1#14.2 Y1#14.4 Y1#15.2 Y1#15.4 Y1#16.2 Y1#16.4 Y1#17.2 Y1#17.4 Y1#18.2 Y1#18.4 Y1#19.2 Y1#19.4 Y1#20.2 Y1#20.4 Y1#21.2 Y1#21.4 Y1#22.2 Y1#22.4 Y1#23.2 Y1#23.4 Y1#24.2 Y1#24.4 Y1#25.2 Y1#25.4 Y1#26.2 Y1#26.4 Y1#27.2 Y1#27.4 Y1#28.2 Y1#28.4 Y1#29.2 Y1#29.4 Y1#30.2 Y1#30.4 Y1#31.2 Y1#31.4 Y1#32.2 Y1#32.4
VBUS: C7.1 C7#2.1 C7#3.1 C7#4.1 C7#5.1 C7#6.1 C7#7.1 C7#8.1 C7#9.1 C7#10.1 C7#11.1 C7#12.1 C7#13.1 C7#14.1 C7#15.1 C7#16.1 C7#17.1 C7#18.1 C7#19.1 C7#20.1 C7#21.1 C7#22.1 C7#23.1 C7#24.1 C7#25.1 C7#26.1 C7#27.1 C7#28.1 C7#29.1 C7#30.1 C7#31.1 C7#32.1 D1.2 D1#2.2 D1#3.2 D1#4.2 D1#5.2 D1#6.2 D1#7.2 D1#8.2 D1#9.2 D1#10.2 D1#11.2 D1#12.2 D1#13.2 D1#14.2 D1#15.2 D1#16.2 D1#17.2 D1#18.2 D1#19.2 D1#20.2 D1#21.2 D1#22.2 D1#23.2 D1#24.2 D1#25.2 D1#26.2 D1#27.2 D1#28.2 D1#29.2 D1#30.2 D1#31.2 D1#32.2 J2.1 J2#2.1 J2#3.1 J2#4.1 J2#5.1 J2#6.1 J2#7.1 J2#8.1 J2#9.1 J2#10.1 J2#11.1 J2#12.1 J2#13.1 J2#14.1 J2#15.1 J2#16.1 J2#17.1 J2#18.1 J2#19.1 J2#20.1 J2#21.1 J2#22.1 J2#23.1 J2#24.1 J2#25.1 J2#26.1 J2#27.1 J2#28.1 J2#29.1 J2#30.1 J2#31.1 J2#32.1 Q1.1 Q1#2.1 Q1#3.1 Q1#4.1 Q1#5.1 Q1#6.1 Q1#7.1 Q1#8.1 Q1#9.1 Q1#10.1 Q1#11.1 Q1#12.1 Q1#13.1 Q1#14.1 Q1#15.1 Q1#16.1 Q1#17.1 Q1#18.1 Q1#19.1 Q1#20.1 Q1#21.1 Q1#22.1 Q1#23.1 Q1#24.1 Q1#25.1 Q1#26.1 Q1#27.1 Q1#28.1 Q1#29.1 Q1#30.1 Q1#31.1 Q1#32.1 R1.1 R1#2.1 R1#3.1 R1#4.1 R1#5.1 R1#6.1 R1#7.1 R1#8.1 R1#9.1 R1#10.1 R1#11.1 R1#12.1 R1#13.1 R1#14.1 R1#15.1 R1#16.1 R1#17.1 R1#18.1 R1#19.1 R1#20.1 R1#21.1 R1#22.1 R1#23.1 R1#24.1 R1#25.1 R1#26.1 R1#27.1 R1#28.1 R1#29.1 R1#30.1 R1#31.1 R1#32.1 R3.1 R3#2.1 R3#3.1 R3#4.1 R3#5.1 R3#6.1 R3#7.1 R3#8.1 R3#9.1 R3#10.1 R3#11.1 R3#12.1 R3#13.1 R3#14.1 R3#15.1 R3#16.1 R3#17.1 R3#18.1 R3#19.1 R3#20.1 R3#21.1 R3#22.1 R3#23.1 R3#24.1 R3#25.1 R3#26.1 R3#27.1 R3#28.1 R3#29.1 R3#30.1 R3#31.1 R3#32.1 U4.4 U4#2.4 U4#3.4 U4#4.4 U4#5.4 U4#6.4 U4#7.4 U4#8.4 U4#9.4 U4#10.4 U4#11.4 U4#12.4 U4#13.4 U4#14.4 U4#15.4 U4#16.4 U4#17.4 U4#18.4 U4#19.4 U4#20.4 U4#21.4 U4#22.4 U4#23.4 U4#24.4 U4#25.4 U4#26.4 U4#27.4 U4#28.4 U4#29.4 U4#30.4 U4#31.4 U4#32.4 U10.5 U10#2.5 U10#3.5 U10#4.5 U10#5.5 U10#6.5 U10#7.5 U10#8.5 U10#9.5 U10#10.5 U10#11.5 U10#12.5 U10#13.5 U10#14.5 U10#15.5 U10#16.5 U10#17.5 U10#18.5 U10#19.5 U10#20.5 U10#21.5 U10#22.5 U10#23.5 U10#24.5 U10#25.5 U10#26.5 U10#27.5 U10#28.5 U10#29.5 U10#30.5 U10#31.5 U10#32.5